# KiCad board jetson-orin-baseboard.kicad_pcb (continued)
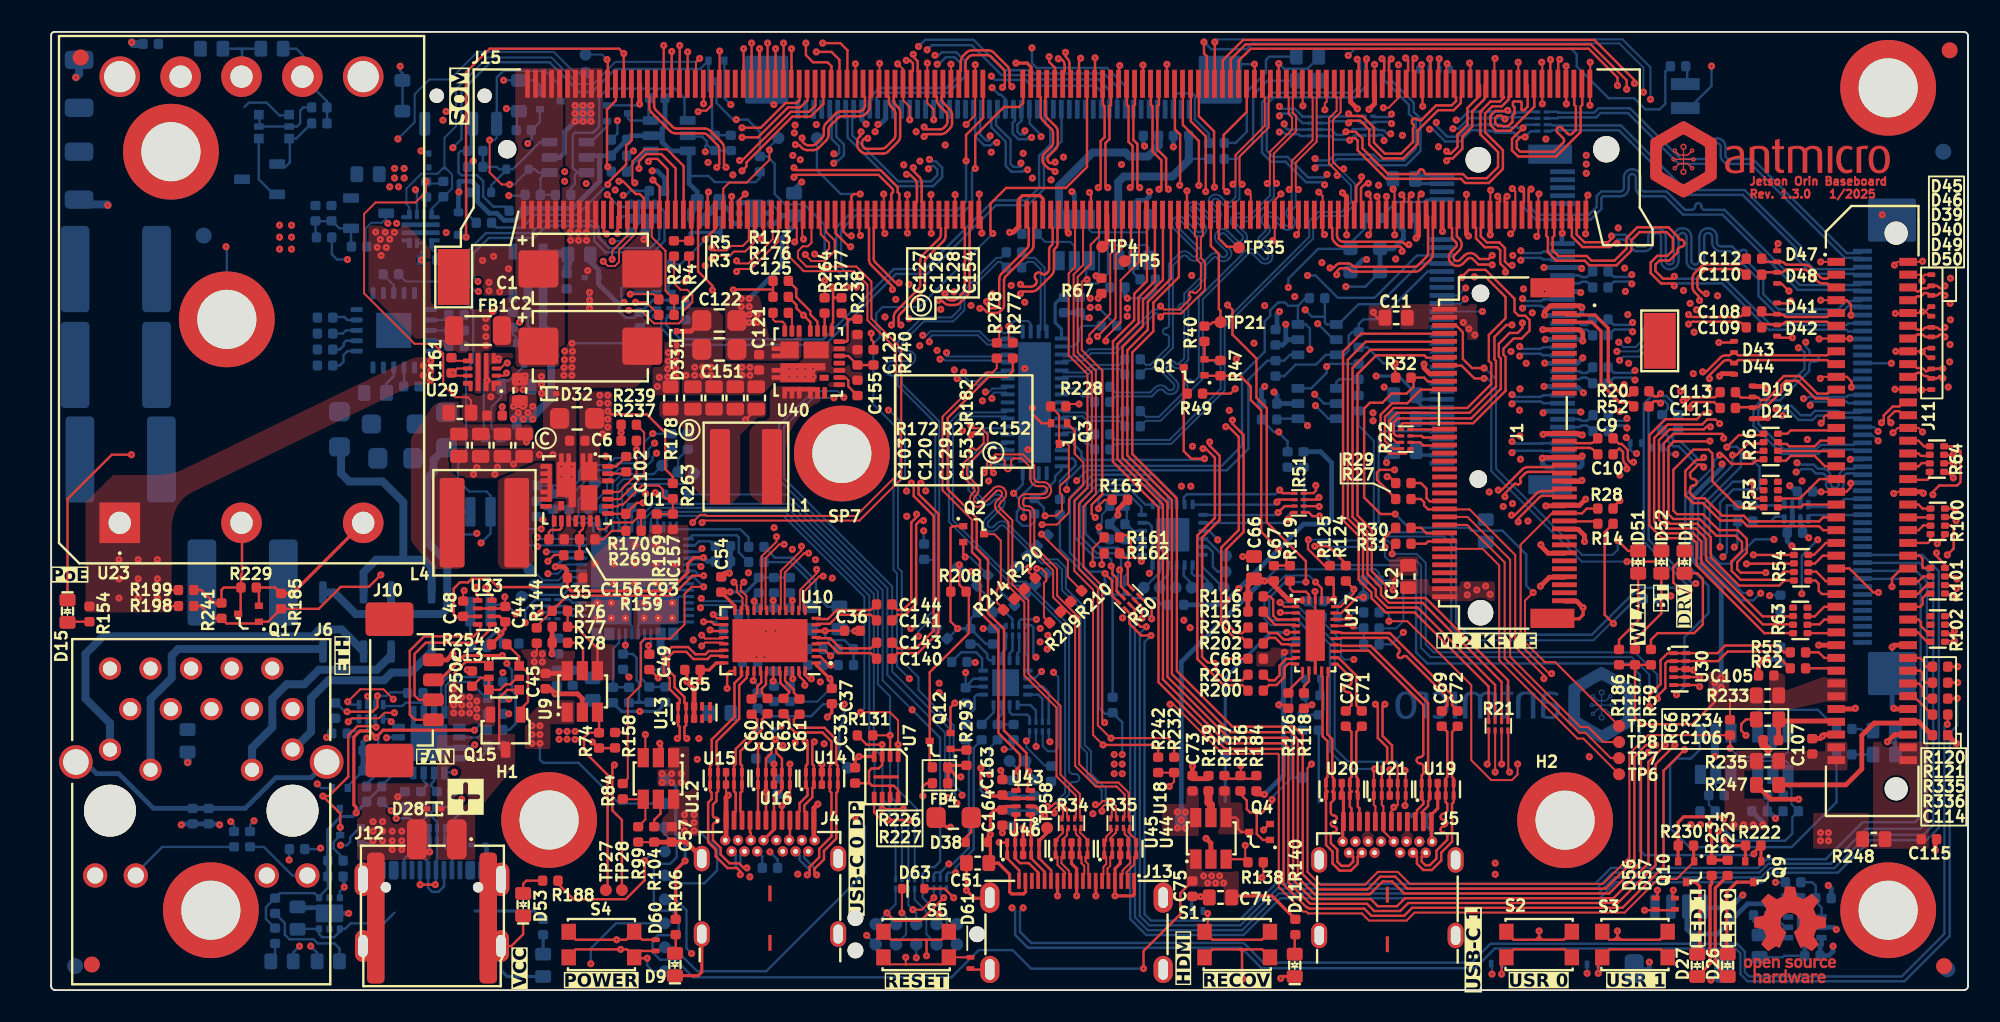
[diagram p0: board, top side]
## Routing (per net, layer and track width the routed paths; a pad name or vN(x,y) marks a point on that pad's centre or on a via; arc(x,y) is an arc through that point) (continued)
GNDD: length 30.8
  Top w0.15: 12.85,25.21 13.01,25.05 13.01,24.06 ; v1(5.02,33.53) 3.8,33.53 1.02,30.75 D15.1 ; R229.1 14.02,25.21 R185.1
  Top w0.2: 19.57,29.3 15.11,24.84 14.39,24.84
  In5.Cu w0.15: v1(26.65,28.6) 25.99,29.26 U23.3
  Bottom w0.15: v1(26.65,28.6) 26.58,28.53 R155.1
VCC: length 29.1
  Top w0.15: R263.2 38.92,32.15 38.44,32.63 38.44,34.9 37.29,36.05 35.05,36.05 v1(34.85,36.25) ; v1(37.15,8.1) 37.15,6.87 35.97,5.69 32.7,5.69 31.53,6.85
  Bottom w0.125: Q18.3 20.98,48.33 20.7,48.05 20.04,48.05 19.69,47.7 19.69,46.63 C50.2
  Bottom w0.13: 45.03,49.3 45.83,48.5
  Bottom w0.15: TP14.1 37.73,8.68 v1(37.15,8.1)
  Bottom w0.3: v1(43.7,43.3) 45.77,45.37 45.77,47.12 46.51,47.86 C134.2 45.8,48.5 45.3,48 45.03,48
  vias: v1(21.08,48.01) v1(21.2,50.3) v1(21.5,51.45) v1(21.5,50.85) v1(21.63,48.01) v1(21.75,50.3) v1(22.1,51.45) v1(22.1,50.85) v1(24.73,47.44) v1(34.35,37.25) v1(34.35,36.75) v1(34.53,34.83) v1(34.85,37.25) v1(34.85,36.75) v1(34.85,35.75) v1(34.85,35.25) v1(43.2,43.3) v1(43.2,42.8) v1(43.7,42.8) v1(43.7,42.3) v1(43.7,41.8) v1(44.2,42.3) v1(44.2,41.8) v1(110.76,9.85) v1(110.76,9.35) v1(111.26,9.85) v1(111.26,9.35)
VDD_SoM:
  vias: v1(20.32,47.47) v1(20.41,46.51) v1(20.61,47.01) v1(20.66,46) v1(20.91,47.46) v1(20.98,46.5) v1(21.2,47.02) v1(21.49,47.45) v1(27.21,42.05) v1(27.21,41.47) v1(27.21,40.92) v1(27.21,40.38) v1(27.62,42.5)
/CSI/CSI1_0_D0_N: length 23.9
  Bottom w0.155: 113.4,45.25 112.95,45.25 112.85,45.15 110.35,45.15 109.54,45.96 109.54,46.57 106.01,50.1 102.31,50.1 98.27,54.14 93.96,54.14 93.92,54.19 93.63,54.19 93.63,54.19
/CSI/CSI1_0_D0_P: length 23.9
  Bottom w0.155: 113.4,44.75 112.95,44.75 112.85,44.85 110.23,44.85 109.24,45.84 109.24,46.45 105.89,49.8 102.19,49.8 98.14,53.84 93.96,53.84 93.9,53.78 93.64,53.78 R103.8
/CSI/CSI1_0_D1_N: length 25.4
  Bottom w0.155: 113.4,46.25 113.3,46.15 112.41,46.15 106.52,52.04 105.04,52.04 arc(104.88,52.11) 104.81,52.27 104.81,52.81 arc(104.66,53.18) 104.29,53.34 arc(103.92,53.18) 103.77,52.81 103.77,52.27 arc(103.7,52.11) 103.54,52.04 102.01,52.04 98.83,55.22 96.87,55.22 96.59,54.95 94.34,54.95 94.29,55 93.85,55
/CSI/CSI1_0_D1_P: length 25.4
  Bottom w0.155: 93.85,54.59 94.29,54.59 94.34,54.65 96.72,54.65 96.99,54.92 98.71,54.92 101.89,51.74 103.54,51.74 arc(103.91,51.89) 104.06,52.27 104.06,52.81 arc(104.13,52.97) 104.29,53.04 arc(104.45,52.97) 104.52,52.81 104.52,52.27 arc(104.67,51.89) 105.04,51.74 106.4,51.74 112.29,45.85 113.3,45.85 113.4,45.75
/CSI/CSI1_1_D0_N: length 48.6
  In5.Cu w0.16: v1(86.71,54.33) 86.5,54.33 85.93,54.9 85.64,54.9 84.54,56 79.76,56 79.33,56.43 67.63,56.43 67.07,55.87 61.11,55.87 60.55,55.31 59.35,55.31 55.83,51.79 55.21,51.79 v1(54.98,52.02)
  Bottom w0.155: R107.6 89.43,54.15 88.78,54.15 88.07,53.44 87.39,53.44 86.71,54.12 v1(86.71,54.33) ; 49.75,54.75 49.86,54.65 49.86,53.39 52.91,50.34 55.21,50.34 55.78,50.91 55.78,51.5 55.38,51.9 55.1,51.9 v1(54.98,52.02)
/CSI/CSI1_1_D0_P: length 48.6
  In5.Cu w0.16: v1(86.29,53.91) 86.29,54.12 85.81,54.6 85.52,54.6 84.42,55.7 79.64,55.7 79.21,56.13 67.75,56.13 67.19,55.57 61.24,55.57 61.24,55.57 60.67,55.01 59.47,55.01 57.64,53.18 arc(57.59,53.05) 57.64,52.91 57.99,52.57 arc(58.04,52.43) 57.99,52.3 arc(57.85,52.24) 57.71,52.3 57.37,52.64 arc(57.24,52.7) 57.1,52.64 55.95,51.49 54.98,51.49 v1(54.92,51.43)
  Bottom w0.155: 50.25,54.75 50.15,54.65 50.15,53.52 53.03,50.64 55.09,50.64 55.48,51.03 55.48,51.38 55.25,51.61 55.1,51.61 v1(54.92,51.43) ; v1(86.29,53.91) 86.5,53.91 87.27,53.14 88.19,53.14 88.9,53.85 89.43,53.85 89.48,53.8
/CSI/CSI1_1_D1_N: length 51.4
  In5.Cu w0.16: v1(87.96,54.48) 87.63,54.48 87.43,54.68 87.43,55.79 87.06,56.16 85.93,56.16 85.43,56.66 80.18,56.66 79.37,57.47 66.77,57.47 66.32,57.02 61.21,57.02 60.27,56.08 57.95,56.08 arc(57.62,55.94) 57.49,55.62 57.49,55.47 arc(57.44,55.35) 57.32,55.3 57.25,55.3 arc(57.13,55.35) 57.08,55.47 57.08,55.62 arc(56.95,55.94) 56.62,56.08 56.6,56.08 arc(56.25,55.94) 56.11,55.59 56.11,55.44 arc(56.06,55.31) 55.92,55.25 55.9,55.25 arc(55.76,55.31) 55.71,55.44 55.71,55.59 arc(55.57,55.94) 55.22,56.08 53.82,56.08 53.42,55.68 arc(53.26,55.62) 53.1,55.68 53.04,55.75 arc(52.88,55.81) 52.72,55.75 arc(52.65,55.59) 52.72,55.43 52.78,55.36 arc(52.85,55.2) 52.78,55.05 52.36,54.62 52.36,52.92 51.68,52.24 49.13,52.24 v1(49,52.37)
  Bottom w0.155: 89.26,55.01 88.71,55.01 88.18,54.48 v1(87.96,54.48) ; v1(49,52.37) 49.13,52.24 49.17,52.24 49.33,52.4 49.33,52.83 48.86,53.3 48.86,54.65 48.75,54.75
/CSI/CSI1_1_D1_P: length 51.4
  In5.Cu w0.16: v1(87.75,53.94) 87.13,54.56 87.13,55.67 86.94,55.86 85.81,55.86 85.31,56.36 80.06,56.36 79.25,57.17 66.89,57.17 66.44,56.72 61.33,56.72 60.39,55.78 57.95,55.78 arc(57.83,55.73) 57.78,55.62 57.78,55.47 arc(57.65,55.14) 57.32,55 57.25,55 arc(56.92,55.14) 56.79,55.47 56.79,55.62 arc(56.74,55.73) 56.62,55.78 56.6,55.78 arc(56.46,55.73) 56.41,55.59 56.41,55.44 arc(56.27,55.1) 55.92,54.95 55.9,54.95 arc(55.55,55.1) 55.41,55.44 55.41,55.59 arc(55.36,55.73) 55.22,55.78 53.94,55.78 52.66,54.5 52.66,52.8 51.8,51.94 49.15,51.94 v1(48.99,51.78)
  Bottom w0.155: 89.26,54.6 88.75,54.6 88.09,53.94 v1(87.75,53.94) ; 49.25,54.75 49.15,54.65 49.15,53.43 49.63,52.95 49.63,52.28 49.29,51.94 49.15,51.94 v1(48.99,51.78)
/CSI/CSI3_0_D0_N: length 46.4
  In5.Cu w0.16: v1(83.44,53.2) 83.65,53.2 84.61,52.24 86,52.24 87.72,50.52 88.83,50.52 89.19,50.16 89.19,49.61 89.9,48.9 90.84,48.9 arc(90.98,48.84) 91.04,48.7 91.04,48.68 arc(91.1,48.54) 91.24,48.48 arc(91.38,48.54) 91.44,48.68 91.44,48.7 arc(91.5,48.84) 91.64,48.9 93.21,48.9 94.06,49.75 95.04,49.75 95.74,49.05 96.72,49.05 97.32,49.65 103.15,49.65 107.11,45.69 107.11,44.92 108.06,43.97 108.06,40.13 109.11,39.08 109.11,38.26 108.84,37.99 108.84,37.05 108.18,36.39 v1(107.97,36.39)
  Bottom w0.155: R108.8 83.04,53.52 83.08,53.55 83.3,53.55 83.44,53.41 v1(83.44,53.2) ; 113.4,36.25 113.3,36.15 111.98,36.15 111.86,36.27 110.42,36.27 110.15,36 109.52,36 108.94,36.58 108.37,36.58 108.18,36.39 v1(107.97,36.39)
/CSI/CSI3_0_D0_P: length 46.5
  In5.Cu w0.16: v1(83.86,53.62) 83.86,53.41 84.73,52.54 86.12,52.54 87.83,50.83 88.94,50.83 89.49,50.28 89.49,49.73 90.02,49.2 93.09,49.2 93.94,50.05 95.16,50.05 95.86,49.35 96.6,49.35 97.2,49.95 103.32,49.95 107.41,45.86 107.41,45.04 108.36,44.09 108.36,40.24 109.4,39.2 109.4,38.13 109.14,37.87 109.14,36.93 108.39,36.18 v1(108.39,35.97)
  Bottom w0.155: 82.77,53.92 83,53.92 83.08,53.85 83.42,53.85 83.65,53.62 v1(83.86,53.62) ; 113.4,35.75 113.3,35.85 111.85,35.85 111.73,35.97 110.54,35.97 110.27,35.7 109.4,35.7 108.82,36.28 108.49,36.28 108.39,36.18 v1(108.39,35.97)
/CSI/CSI3_0_D1_N: length 51.3
  In5.Cu w0.16: v1(109.7,37.04) 109.91,37.04 110.06,37.19 113.09,37.19 113.49,37.59 113.49,43.92 105.75,51.66 100.67,51.66 98.25,54.08 96.29,54.08 95.67,53.46 arc(95.61,53.32) 95.67,53.18 95.68,53.17 arc(95.73,53.03) 95.68,52.89 arc(95.53,52.83) 95.39,52.89 95.39,52.89 arc(95.25,52.95) 95.11,52.89 94.52,52.31 91.65,52.31 90.82,53.14 87.13,53.14 87.03,53.24 86.67,53.24 86.57,53.14 85.82,53.14 84.55,54.41 84.06,54.41 v1(83.91,54.26)
  Bottom w0.155: R108.6 82.82,54.37 83.8,54.37 v1(83.91,54.26) ; 113.4,37.25 112.5,37.25 112.4,37.15 110.02,37.15 109.91,37.04 v1(109.7,37.04)
/CSI/CSI3_0_D1_P: length 51.4
  In5.Cu w0.16: v1(83.91,54.85) 84.06,54.71 84.68,54.71 85.94,53.44 86.45,53.44 86.55,53.54 87.15,53.54 87.25,53.44 90.94,53.44 91.77,52.61 94.4,52.61 96.17,54.38 98.37,54.38 100.79,51.96 105.87,51.96 113.79,44.04 113.79,37.47 113.21,36.89 110.18,36.89 110.12,36.83 v1(110.12,36.62)
  Bottom w0.155: 113.4,36.75 112.5,36.75 112.4,36.85 110.14,36.85 110.12,36.83 v1(110.12,36.62) ; v1(83.91,54.85) 83.73,54.67 82.82,54.67 82.77,54.72
/CSI/CSI3_1_D0_N: length 24.6
  In5.Cu w0.16: v1(61.13,51.37) 61.13,51.58 62.29,52.74 67.15,52.74 67.89,52 71.76,52 73.7,53.94 76.68,53.94 v1(76.89,53.73)
  Bottom w0.155: v1(61.13,51.37) 60.92,51.37 60.8,51.25 60.12,51.25 59.76,51.61 59.76,53.13 58.86,54.03 58.86,54.65 58.75,54.75 ; v1(76.89,53.73) 77.14,53.73 77.27,53.59 78.09,53.59 78.2,53.48 78.61,53.48
/CSI/CSI3_1_D0_P: length 24.6
  In5.Cu w0.16: v1(60.71,51.79) 60.92,51.79 62.17,53.04 62.45,53.04 arc(62.59,53.1) 62.65,53.24 arc(62.71,53.38) 62.85,53.44 63.05,53.44 arc(63.19,53.38) 63.25,53.24 arc(63.31,53.1) 63.45,53.04 67.27,53.04 68.01,52.3 71.64,52.3 73.58,54.24 v1(77.19,54.24)
  Bottom w0.155: 78.61,53.89 78.09,53.89 78.09,53.89 77.4,53.89 77.19,54.1 v1(77.19,54.24) ; 59.25,54.75 59.15,54.65 59.15,54.16 60.06,53.25 60.06,51.73 60.24,51.55 60.68,51.55 60.71,51.58 v1(60.71,51.79)
/CSI/CSI3_1_D1_N: length 31.5
  In5.Cu w0.16: v1(76.89,54.74) 76.74,54.89 73.11,54.89 72.69,54.47 71.86,54.47 arc(71.7,54.4) 71.64,54.25 71.64,53.93 arc(71.48,53.56) 71.11,53.4 arc(70.74,53.56) 70.59,53.93 70.59,55.1 arc(70.53,55.24) 70.4,55.29 70.32,55.29 arc(70.19,55.24) 70.14,55.1 70.14,53.93 arc(69.98,53.56) 69.61,53.4 arc(69.24,53.56) 69.09,53.93 69.09,55.1 arc(69.03,55.24) 68.9,55.29 68.82,55.29 arc(68.69,55.24) 68.64,55.1 68.64,53.93 arc(68.48,53.56) 68.11,53.4 arc(67.74,53.56) 67.59,53.93 67.59,54.25 arc(67.52,54.4) 67.36,54.47 61.91,54.47 61.68,54.24 60.16,54.24 59.2,53.28 v1(59.2,53.07)
  Bottom w0.155: 57.75,54.75 57.86,54.65 57.86,53.45 58.41,52.9 58.82,52.9 58.99,53.07 v1(59.2,53.07) ; v1(76.89,54.74) 77.04,54.89 77.73,54.89 78.33,54.29 78.61,54.29
/CSI/CSI3_1_D1_P: length 31.5
  In5.Cu w0.16: v1(76.89,55.34) 76.74,55.19 75.09,55.19 73.63,55.19 72.99,55.19 72.57,54.77 71.86,54.77 arc(71.49,54.62) 71.34,54.25 71.34,53.93 arc(71.27,53.77) 71.11,53.7 arc(70.95,53.77) 70.89,53.93 70.89,55.1 arc(70.74,55.45) 70.4,55.59 70.32,55.59 arc(69.98,55.45) 69.84,55.1 69.84,53.93 arc(69.77,53.77) 69.61,53.7 arc(69.45,53.77) 69.39,53.93 69.39,55.1 arc(69.24,55.45) 68.9,55.59 68.82,55.59 arc(68.48,55.45) 68.34,55.1 68.34,53.93 arc(68.27,53.77) 68.11,53.7 arc(67.95,53.77) 67.89,53.93 67.89,54.25 arc(67.73,54.62) 67.36,54.77 64.46,54.77 arc(64.37,54.81) 64.33,54.9 arc(64.29,55) 64.2,55.03 64.06,55.03 arc(63.97,55) 63.93,54.9 arc(63.89,54.81) 63.8,54.77 63.66,54.77 arc(63.57,54.81) 63.53,54.9 arc(63.49,55) 63.4,55.03 63.26,55.03 arc(63.17,55) 63.13,54.9 arc(63.09,54.81) 63,54.77 61.79,54.77 61.56,54.54 60.04,54.54 58.99,53.49 v1(58.78,53.49)
  Bottom w0.155: 58.25,54.75 58.15,54.65 58.15,53.58 58.53,53.2 58.7,53.2 58.78,53.28 v1(58.78,53.49) ; v1(76.89,55.34) 77.04,55.19 77.85,55.19 78.34,54.71 78.34,54.71 78.34,54.7 78.61,54.7
/CSI/CSIA_3V3: length 22.3
  Bottom w0.15: 111.76,14.75 111.76,11.77 108.95,8.95 102.55,8.95 101.35,10.15 101.35,14.1 101.75,14.5 102.65,14.5 103.2,15.05 103.2,16.05 103.2,16.05
/CSI/CSIA_3V3_ISET: length 1.5
  Bottom w0.125: 104.2,13.5 104.2,12.73 104.74,12.2
/CSI/CSIA_5V: length 5.5
  Bottom w0.15: 106.8,17.55 110.6,17.55 111.76,16.39 111.76,16.35
/CSI/CSIA_5V_ISET: length 1.6
  Bottom w0.125: 108.44,12.2 107.78,12.85 107.78,13.5
/CSI/CSIA_I2C_VCC: length 10.8
  Bottom w0.15: 69.94,24.12 69.55,24.12 69.14,24.54 67.76,24.54 67.54,24.76 65.98,24.76
  Bottom w0.155: 66.45,18.33 66.45,24.78 66.38,24.85
/CSI/CSIB_3V3: length 15.7
  Bottom w0.15: 70.25,55.2 70.25,55.95 70.45,56.15 71.45,56.15 71.6,56 71.6,54.52 72.47,53.65 72.47,53.05
  Bottom w0.5: 63.1,48.35 63.1,50.35 65.2,52.45 67.25,52.45 67.5,52.2 68.66,52.2 69.33,52.88 69.33,53.5
/CSI/CSIB_3V3_ISET: length 3.5
  Bottom w0.125: 64.05,45.75 64.05,46.6 63.8,46.85 62.23,46.85 61.73,47.35
/CSI/CSIB_5V: length 10
  Bottom w0.15: 72.47,52.05 71.25,52.05
  Bottom w0.5: 71.22,53.5 71.22,51.97 70.2,50.95 67.15,50.95 66.8,50.6 66.8,48.35
/CSI/CSIB_5V_ISET: length 1.4
  Bottom w0.155: 68.17,44.5 67.75,44.92 67.75,45.75
/CSI/CSIB_I2C_VCC: length 3.8
  Bottom w0.15: 77.4,32.74 78.4,32.74 78.44,32.7 R48.8
/CSI/I2C_MUX_A0: length 2.3
  Bottom w0.15: 67.3,30.32 67.33,30.28 67.33,29.17 67.76,28.75 68.25,28.75
/CSI/I2C_MUX_RESET: length 5.4
  Top w0.13: v1(65.57,30.15) 65.57,30.32 65.95,30.7 66.42,30.7
  Top w0.15: v1(65.57,30.15) 65.6,30.19
  Bottom w0.15: v1(65.57,30.15) 65.57,30.72 65.87,31.02 67.47,31.02 68.25,30.24 68.25,29.75
/CSI/I2C_MUX_SCL: length 2
  Top w0.15: v1(68.25,26.85) 68.03,27.07 67.17,27.07 66.89,27.35
  Bottom w0.15: 68.25,27.25 v1(68.25,26.85)
/CSI/I2C_MUX_SDA: length 2.1
  Top w0.15: 66.89,28.35 67.03,28.5 67.3,28.5 67.58,28.21 v1(67.58,27.53)
  Bottom w0.15: v1(67.58,27.53) 67.82,27.53 68.04,27.75
/CSI/MUX_I2C_4_SCL: length 2.6
  Bottom w0.15: 73.47,26.2 73.03,26.2 72.72,26.5 72.72,27.42 72.4,27.75 72.05,27.75
/CSI/MUX_I2C_4_SDA: length 1.7
  Bottom w0.15: 72.05,28.25 72.31,28.25 73.36,27.2
/CSI/MUX_I2C_5_SCL: length 2.1
  Bottom w0.15: 72.4,25.25 72.4,25.63 72.08,25.95 71.55,25.95 71.4,26.1 71.4,26.6
/CSI/MUX_I2C_5_SDA: length 2.5
  Bottom w0.15: 73.33,25.25 72.05,26.53 72.05,27.25
/CSI/MUX_I2C_6_SCL: length 1.4
  Bottom w0.15: 70.4,25.25 70.4,26.6
/CSI/MUX_I2C_6_SDA: length 1.4
  Bottom w0.15: 71.4,25.45 70.9,25.95 70.9,26.6
/CSI/MUX_I2C_7_SCL: length 1.8
  Bottom w0.15: 68.4,25.25 68.5,25.25 69.4,26.15 69.4,26.6
/CSI/MUX_I2C_7_SDA: length 1.3
  Bottom w0.15: 69.4,25.5 69.9,26 69.9,26.6
/CSI/SCL_CAM0: length 14.7
  Top w0.15: v1(66.89,26.32) 66.97,26.23 66.97,25.27 67.39,24.85
  Bottom w0.15: 69.4,30.4 69.4,30.85 68.62,31.63 65.47,31.63 64.42,30.58 64.42,28.4 65.47,27.35 66.6,27.35 66.97,26.97 66.97,26.41 v1(66.89,26.32) 66.78,26.21 66.78,25.58
/CSI/SCL_CAM1: length 17.2
  Top w0.15: 66.82,24.29 66.42,24.69 66.42,25.63 v1(65.97,26.09)
  Bottom w0.15: 70.4,30.4 70.4,30.9 69.03,32.27 65.18,32.27 63.78,30.86 63.78,27.38 64.95,26.2 65.86,26.2 v1(65.97,26.09) 65.97,25.58
/CSI/SCL_CAM2: length 7.3
  Top w0.15: v1(76.74,30.56) 76.89,30.71 77.6,30.71
  Bottom w0.15: 71.4,30.4 76.58,30.4 v1(76.74,30.56) 76.89,30.71 77.62,30.71
/CSI/SCL_CAM3: length 6.5
  Top w0.15: v1(77.41,29.46) 77.6,29.65 77.6,29.9
  Bottom w0.15: 77.62,29.9 77.41,29.69 v1(77.41,29.46) 77.2,29.25 72.05,29.25
/CSI/SDA_CAM0: length 13.3
  Top w0.15: 67.67,25.14 67.4,25.41 v1(67.4,26.64)
  Bottom w0.15: 68.9,30.4 68.5,30.4 67.56,31.34 65.66,31.34 64.75,30.43 64.75,28.58 65.62,27.7 66.8,27.7 67.4,27.1 v1(67.4,26.64) 67.4,26.1 67.19,25.89 67.19,25.58
/CSI/SDA_CAM1: length 16.2
  Top w0.15: 67.11,24.57 66.7,24.98 66.7,25.8 66.44,26.06 66.44,26.47 v1(66.36,26.56)
  Bottom w0.15: 69.9,30.4 69.9,30.9 68.83,31.97 65.35,31.97 64.08,30.69 64.08,28.35 65.35,27.08 66.22,27.08 66.36,26.94 v1(66.36,26.56) 66.44,26.47 66.44,25.64 66.38,25.58
/CSI/SDA_CAM2: length 8.2
  Top w0.15: 77.6,31.12 77.1,31.12 v1(76.91,31.31)
  Bottom w0.15: 77.62,31.12 77.1,31.12 v1(76.91,31.31) 76.65,31.05 71.1,31.05 70.9,30.85 70.9,30.4
/CSI/SDA_CAM3: length 6.8
  Top w0.15: 77.6,30.31 77.22,30.31 v1(76.81,29.9)
  Bottom w0.15: 77.62,30.31 77.22,30.31 v1(76.81,29.9) 76.66,29.75 72.05,29.75
/CSI/VSYNC_CAM0_3V3: length 3.6
  Bottom w0.15: 110,30.24 111.74,30.24 112.25,30.75 113.4,30.75
/CSI/VSYNC_CAM1_3V3: length 3.4
  Bottom w0.15: 113.4,29.75 110.09,29.75 110,29.66
/CSI/VSYNC_CAM2_3V3: length 33.6
  Bottom w0.15: 38.64,42.2 38.5,42.06 38.5,41.65 39.41,40.74 48.34,40.74 52.75,45.15 54.7,45.15 59,49.45 61.05,49.45 61.85,50.25 61.85,52.25 62.55,52.95 62.55,53.95 62.25,54.25 62.25,55.2
/CSI/VSYNC_CAM3_3V3: length 34.7
  Bottom w0.15: 63.25,55.2 63.25,53.16 62.15,52.05 62.15,50.16 61.14,49.15 59.15,49.15 54.85,44.85 52.9,44.85 48.45,40.4 39.25,40.4 38.2,41.45 38.2,42.06 38.06,42.2
/Ethernet/AMPS_CTL: length 1.6
  Bottom w0.15: 17.63,41.11 18.26,41.11 18.46,41.31 U22.8
/Ethernet/CLSA: length 1.8
  Bottom w0.15: 21.45,38.99 21.45,38.44 21,37.99 R196.2
/Ethernet/CLSB: length 2.1
  Bottom w0.15: 17.63,39.11 18.07,39.11 18.3,39.34 18.3,39.76 18.55,40.01 U22.6
/Ethernet/DEN: length 1.3
  Bottom w0.15: 22.1,38.99 22.1,37.69
/Ethernet/MPS_DUTY: length 1.5
  Bottom w0.15: 17.67,42.15 18.35,42.15 18.54,41.96 U22.9
/Ethernet/PAIR_12: length 25.2
  Bottom w0.5: D12.3 18.18,22.58 16.82,22.58 16.39,22.15 3.25,22.15 2.15,21.05 2.15,18.25 3.69,16.72 3.69,15.05
/Ethernet/PAIR_36: length 17.4
  Bottom w0.5: D12.4 16.86,21.36 7.96,21.36 7.55,20.95 7.55,19.55 6.23,18.22 6.23,13.79
/Ethernet/PAIR_78: length 13.8
  Bottom w0.5: J6.13 12.58,15.17 13.85,16.45 13.85,18.25 14.75,19.15 15.85,19.15 16.76,20.06 20.38,20.06 21.28,20.95 D13.4
/Ethernet/PAIR_910: length 12.4
  Bottom w0.5: D13.3 22.51,19.89 21.33,19.89 20.84,19.4 17.38,19.4 16.27,18.29 16.27,16.17 15.16,15.06
/Ethernet/PG: length 1.5
  Bottom w0.13: U22.13 21.45,44.15 20.79,44.81 R148.2
/Ethernet/POE_ACTIVE: length 42.8
  Top w0.15: 10.66,23.27 10.98,22.96 12.9,22.96 Q17.1 13.58,23.06 R185.2 ; R241.2 10.12,23.28 9.35,24.05 R198.1 ; 14.39,23.87 16.76,23.87 18.13,25.25 19.89,25.25 v1(20.64,26)
  In5.Cu w0.15: v1(20.64,26) 22.65,28.01 26.9,28.01 v1(26.91,28)
  Bottom w0.13: U39.4 27.51,30.97 27.26,31.22 26.16,31.22 25.48,31.91 25.48,32.95 25.98,33.44 25.98,38.88 26.42,39.32 26.42,42.55 24.6,44.37 22.21,44.37 R148.1
  Bottom w0.15: v1(26.91,28) 27.51,28.6 U39.4
/Ethernet/REF: length 1.8
  Bottom w0.15: 17.63,40.11 18.07,40.11 18.32,40.36 18.32,40.52 18.46,40.66 19.12,40.66
/Ethernet/TPH: length 1.1
  Bottom w0.13: U22.18 24.88,41.31 R149.1
/Ethernet/TPL: length 1.2
  Bottom w0.13: U22.17 24.58,41.96 R150.1
/Ethernet/ULS-12_CTRL: length 9.9
  Top w0.15: 11.71,23.56 11.87,23.72 11.87,25.1 ; 11.88,25.21 10.81,25.21 10.66,25.06 10.66,24.24 ; 11.95,29.3 11.95,26.07 11.88,26 R229.2 ; R199.1 9.4,25.05 10.21,24.24 R241.1
/Ethernet/~{BT}: length 1.3
  Bottom w0.13: U22.19 24.56,40.66 R153.1
/HDMI/DP_MUX_AUX_A+: length 3.2
  Top w0.125: v1(59.95,41.56) 59.95,40.78 60.2,40.53
  Bottom w0.125: v1(59.95,41.56) 60.29,41.9 61.15,41.9 61.32,41.73 U36.40
/HDMI/DP_MUX_AUX_A-: length 2.5
  Top w0.125: v1(59.35,41.4) 59.35,40.69 59.2,40.53
  Bottom w0.125: U36.39 60.73,41.15 59.6,41.15 v1(59.35,41.4)
/HDMI/DP_MUX_AUX_B+: length 5.9
  Bottom w0.125: U36.42 62.19,41.36 62.19,45.24 61.59,45.85 61.11,45.85 60.76,46.2
/HDMI/DP_MUX_AUX_B-: length 5.5
  Bottom w0.125: 60.76,45.25 61.11,45.6 61.48,45.6 61.94,45.14 61.94,41.36 U36.41
/HDMI/DP_MUX_D0+: length 4.4
  Bottom w0.125: U36.5 63.38,38.67 64.69,38.67 65.16,39.15 66.86,39.15 67.22,39.5
/HDMI/DP_MUX_D0-: length 4.4
  Bottom w0.125: 67.22,38.55 66.86,38.9 65.27,38.9 64.79,38.42 63.38,38.42 U36.6
/HDMI/DP_MUX_D1+: length 2.4
  Bottom w0.125: 65.31,37.78 64.97,37.42 64.64,37.42 64.39,37.67 63.38,37.67 U36.7
/HDMI/DP_MUX_D1-: length 2.4
  Bottom w0.125: U36.8 63.38,37.42 64.29,37.42 64.54,37.17 64.97,37.17 65.31,36.83
/HDMI/DP_MUX_D2+: length 4.3
  Bottom w0.125: U36.10 63.38,36.17 64.68,36.17 64.96,35.9 66.86,35.9 67.22,36.25
/HDMI/DP_MUX_D2-: length 4.3
  Bottom w0.125: U36.11 63.38,35.92 64.58,35.92 64.85,35.65 66.86,35.65 67.22,35.3
/HDMI/DP_MUX_D3+: length 2.6
  Bottom w0.125: U36.12 63.38,35.17 64.15,35.17 64.88,34.45 64.97,34.45 65.31,34.8
/HDMI/DP_MUX_D3-: length 2.6
  Bottom w0.125: 65.31,33.85 64.97,34.2 64.77,34.2 64.05,34.92 63.38,34.92 U36.13
/HDMI/DP_MUX_EN: length 3.5
  Bottom w0.125: 65.74,41.6 64.55,41.6 64.35,41.4 64.35,40.65 64,40.3 U36.2
/HDMI/HDMI_CEC_5V: length 3.9
  Top w0.155: 62.6,6.75 62.6,7.5 61.85,8.25 61.85,8.47
  Top w0.2: 61.85,8.47 61.85,9.35 62.3,9.8 62.3,10.15
/HDMI/HDMI_CLK_CONN_N: length 3.9
  Top w0.125: 63.28,10.15 63.35,10.08 63.35,9.87 63,9.52 63,9.36 U45.10 62.88,8.47 63,8.34 63,7.83 63.47,7.36 63.47,7.26 63.4,7.19 63.4,6.8
/HDMI/HDMI_CLK_CONN_P: length 3.8
  Top w0.125: 63.67,10.15 63.6,10.08 63.6,9.7 63.38,9.47 U45.9 63.38,8.47 63.25,8.34 63.25,7.94 63.72,7.46 63.72,7.26 63.8,7.19 63.8,6.8
/HDMI/HDMI_CLK_N: length 34.1
  Top w0.125: v1(62.79,11.09) 62.79,11.32 62.91,11.44 63.17,11.44 63.35,11.25 63.35,10.83 R34.8
  Bottom w0.125: v1(62.79,11.09) 62.79,11.32 63.72,12.25 63.72,12.78 arc(63.8,12.95) 63.97,13.03 64.12,13.03 arc(64.3,13.1) 64.37,13.28 arc(64.3,13.45) 64.12,13.53 63.97,13.53 arc(63.8,13.6) 63.72,13.78 63.72,22.85 61,25.58 60.3,25.58 56.45,29.42 56.45,35.39 56.99,35.92 59.76,35.92 U36.28
/HDMI/HDMI_CLK_P: length 34.1
  Top w0.125: v1(62.39,11.49) 62.62,11.49 62.81,11.69 63.27,11.69 63.6,11.36 63.6,10.83 R34.7
  Bottom w0.125: v1(62.39,11.49) 62.62,11.49 63.47,12.35 63.47,22.75 60.9,25.33 60.2,25.33 56.2,29.32 56.2,35.49 56.89,36.17 59.76,36.17 U36.29
/HDMI/HDMI_D0_CONN_N: length 3.6
  Top w0.125: 64.6,6.8 64.6,7.19 64.67,7.26 64.67,7.78 64.5,7.95 64.5,8.34 64.38,8.47 U45.7 64.38,9.55 64.15,9.77 64.15,10.08 64.08,10.15
/HDMI/HDMI_D0_CONN_P: length 3.7
  Top w0.125: 65,6.8 65,7.19 64.92,7.26 64.92,7.88 64.75,8.06 64.75,8.34 64.88,8.47 U45.6 64.88,9.4 64.4,9.88 64.4,10.08 64.47,10.15
/HDMI/HDMI_D0_N: length 34.1
  Top w0.125: v1(57.58,34.76) 57.74,34.92 58.15,34.92 58.38,34.7 58.38,34.25 58.01,33.89 arc(57.89,33.84) 57.76,33.89 57.75,33.9 arc(57.62,33.96) 57.5,33.9 arc(57.45,33.78) 57.5,33.66 57.52,33.64 arc(57.57,33.52) 57.52,33.39 57.08,32.95 57.08,32.16 57.75,31.49 arc(57.81,31.33) 57.75,31.17 57.65,31.07 arc(57.51,30.74) 57.65,30.4 arc(57.99,30.26) 58.32,30.4 59.15,31.23 arc(59.31,31.29) 59.47,31.23 arc(59.53,31.07) 59.47,30.91 59.23,30.67 arc(59.09,30.34) 59.23,30 59.92,29.31 59.92,25.3 60.92,24.3 60.92,19.7 62.94,17.69 62.94,13.39 64.15,12.17 64.15,10.83 R34.6
  Bottom w0.125: v1(57.58,34.76) 57.74,34.92 59.76,34.92 U36.26
/HDMI/HDMI_D0_P: length 34.1
  Top w0.125: R34.5 64.4,10.83 64.4,12.28 63.19,13.49 63.19,17.79 61.17,19.8 61.17,24.4 60.17,25.4 60.17,29.41 59.41,30.18 arc(59.34,30.34) 59.41,30.5 59.65,30.73 arc(59.78,31.07) 59.65,31.41 arc(59.31,31.54) 58.97,31.41 58.15,30.58 arc(57.99,30.51) 57.83,30.58 arc(57.76,30.74) 57.83,30.9 57.92,30.99 arc(58.06,31.33) 57.92,31.66 57.33,32.26 57.33,32.85 58.62,34.15 58.62,34.8 58.25,35.17 57.74,35.17 v1(57.58,35.34)
  Bottom w0.125: U36.27 59.76,35.17 57.74,35.17 v1(57.58,35.34)
/HDMI/HDMI_D1_CONN_N: length 3.7
  Top w0.125: 66.33,10.15 66.4,10.08 66.4,9.96 66.05,9.61 66.05,9.36 U44.10 65.92,8.47 66.05,8.34 66.05,7.89 65.88,7.71 65.88,7.26 65.8,7.19 65.8,6.8
/HDMI/HDMI_D1_CONN_P: length 3.7
  Top w0.125: 66.2,6.8 66.2,7.19 66.12,7.26 66.12,7.61 66.3,7.78 66.3,8.34 66.42,8.47 U44.9 66.3,9.36 66.3,9.5 66.65,9.85 66.65,10.08 66.72,10.15
/HDMI/HDMI_D1_N: length 33.3
  Top w0.125: v1(65.78,11.21) 65.78,11.44 65.94,11.59 66.25,11.59 66.4,11.44 66.4,10.83 R35.8
  Bottom w0.125: v1(65.78,11.21) 65.78,11.44 66.02,11.67 66.02,12.63 65.09,13.55 65.09,14.96 64.7,15.35 64.7,23.98 63.53,25.15 63.53,26.45 63,26.97 62.1,26.97 59.86,29.22 arc(59.52,29.36) 59.19,29.22 59,29.03 arc(58.84,28.96) 58.68,29.03 arc(58.62,29.19) 58.68,29.35 59.55,30.22 arc(59.69,30.55) 59.55,30.89 arc(59.22,31.03) 58.88,30.89 58.69,30.7 arc(58.53,30.63) 58.38,30.7 57.67,31.4 57.67,33.13 58.47,33.92 59.76,33.92 U36.24
/HDMI/HDMI_D1_P: length 34.1
  Top w0.125: 66.72,10.75 66.65,10.83 66.65,11.55 66.35,11.84 65.84,11.84 65.61,11.61 v1(65.38,11.61)
  Bottom w0.125: U36.25 59.76,34.17 58.37,34.17 57.42,33.23 57.42,31.3 58.2,30.52 arc(58.53,30.38) 58.87,30.52 59.06,30.71 arc(59.22,30.78) 59.38,30.71 arc(59.44,30.55) 59.38,30.39 58.51,29.52 arc(58.37,29.19) 58.51,28.85 arc(58.84,28.71) 59.18,28.85 59.37,29.04 arc(59.52,29.11) 59.68,29.04 62,26.72 62.9,26.72 63.28,26.35 63.28,25.05 64.45,23.87 64.45,15.25 64.84,14.85 64.84,13.45 65.77,12.53 65.77,11.77 65.61,11.61 v1(65.38,11.61)
/HDMI/HDMI_D2_CONN_N: length 3.8
  Top w0.125: 67.12,10.15 67.2,10.08 67.2,9.77 67.42,9.55 67.42,8.47 67.55,8.34 67.55,7.97 67.08,7.49 67.08,7.26 67,7.19 67,6.8
/HDMI/HDMI_D2_CONN_P: length 3.9
  Top w0.125: 67.4,6.8 67.4,7.19 67.33,7.26 67.33,7.39 67.8,7.86 67.8,8.34 67.92,8.47 67.92,9.4 67.45,9.88 67.45,10.08 67.53,10.15
/HDMI/HDMI_D2_N: length 34.2
  Top w0.125: v1(58.99,32.39) 58.83,32.55 58.83,32.89 59.23,33.3 59.5,33.3 arc(59.64,33.24) 59.69,33.09 59.69,32.69 arc(59.75,32.54) 59.89,32.49 arc(60.04,32.54) 60.09,32.69 60.09,33.09 arc(60.15,33.24) 60.3,33.3 60.75,33.3 61.3,32.75 61.3,32.06 arc(61.44,31.7) 61.8,31.56 62.1,31.56 arc(62.28,31.48) 62.35,31.31 arc(62.28,31.13) 62.1,31.06 61,31.06 arc(60.71,30.93) 60.59,30.64 60.59,30.47 arc(60.71,30.18) 61,30.06 61.13,30.06 arc(61.25,30.01) 61.3,29.89 61.3,27.71 62.72,26.28 62.72,24.6 64.11,23.22 64.11,14.04 65.4,12.75 66.71,12.75 67.2,12.25 67.2,10.83 R35.6
  Bottom w0.125: U36.22 59.76,32.92 59.12,32.92 58.83,32.63 58.83,32.55 v1(58.99,32.39)
/HDMI/HDMI_D2_P: length 34.1
  Top w0.125: 67.53,10.75 67.45,10.83 67.45,12.36 66.81,13 65.5,13 64.36,14.14 64.36,23.32 62.97,24.7 62.97,26.38 61.55,27.81 61.55,29.89 arc(61.42,30.18) 61.13,30.31 61,30.31 arc(60.89,30.35) 60.84,30.47 60.84,30.64 arc(60.89,30.76) 61,30.81 62.1,30.81 arc(62.46,30.95) 62.6,31.31 arc(62.46,31.66) 62.1,31.81 61.8,31.81 arc(61.62,31.88) 61.55,32.06 61.55,32.85 60.85,33.55 59.13,33.55 58.58,32.99 58.58,32.55 v1(58.41,32.39)
  Bottom w0.125: v1(58.41,32.39) 58.58,32.55 58.58,32.73 59.02,33.17 59.76,33.17 U36.23
/HDMI/HDMI_HPD: length 25.9
  Top w0.15: 55.17,13.95 55,14.11 55,19.9 57.45,22.35 57.45,24.78 56.85,25.39 v1(56.85,26.63)
  In5.Cu w0.15: v1(60.25,31.11) 60.17,31.03 60.17,28.62 58.18,26.63 v1(56.85,26.63)
  Bottom w0.15: 61.55,29.81 61.55,29.33 61.3,29.08 60.8,29.08 60.45,29.42 60.45,29.95 60.58,30.08 60.58,30.78 v1(60.25,31.11) 60.26,31.11 60.82,31.67 U36.21